# Altium PCB PCB_AUTO-HANDWASH-THERMOMETER.PcbDoc
Units mm, origin at the board's own origin, x right, y up, seen from the top; angles counter-clockwise.
Board outline 151 x 101.09 mm, 2 copper layers (Top Layer, Bottom Layer); 29 components, 20 nets, 122 pads, 9 vias.
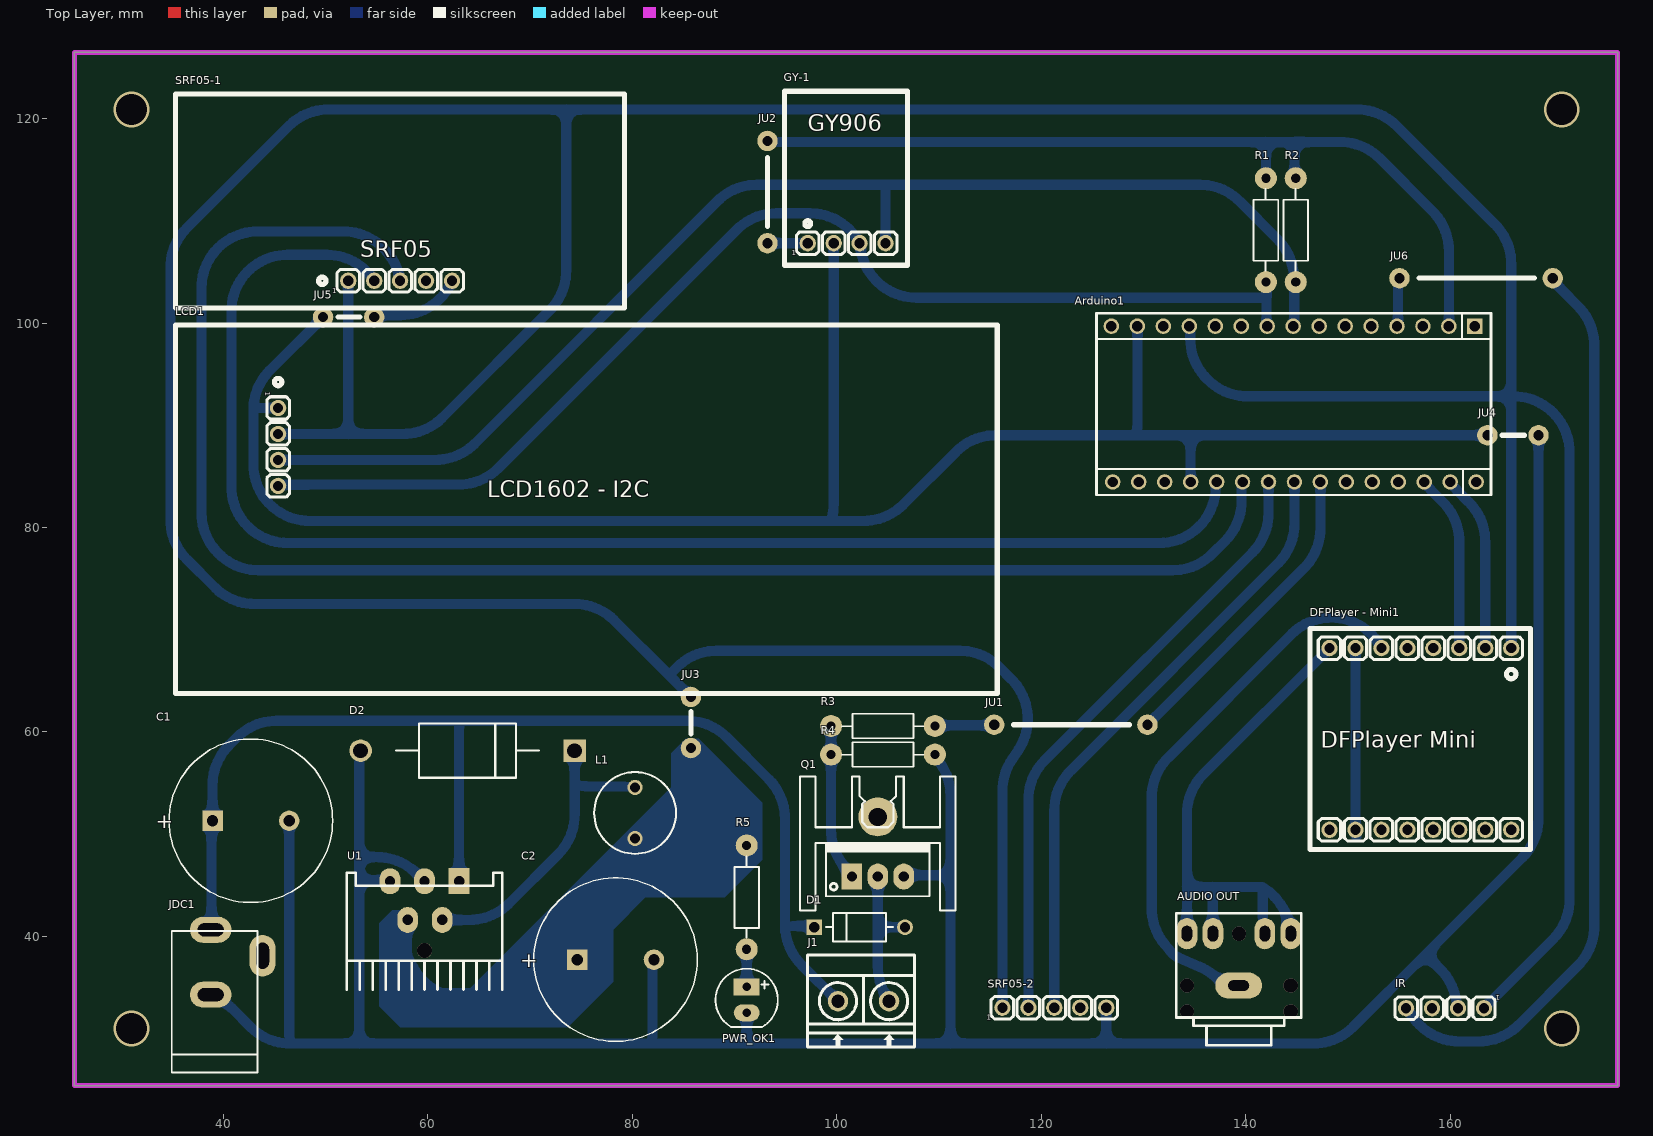
[diagram p0: Top Layer view]
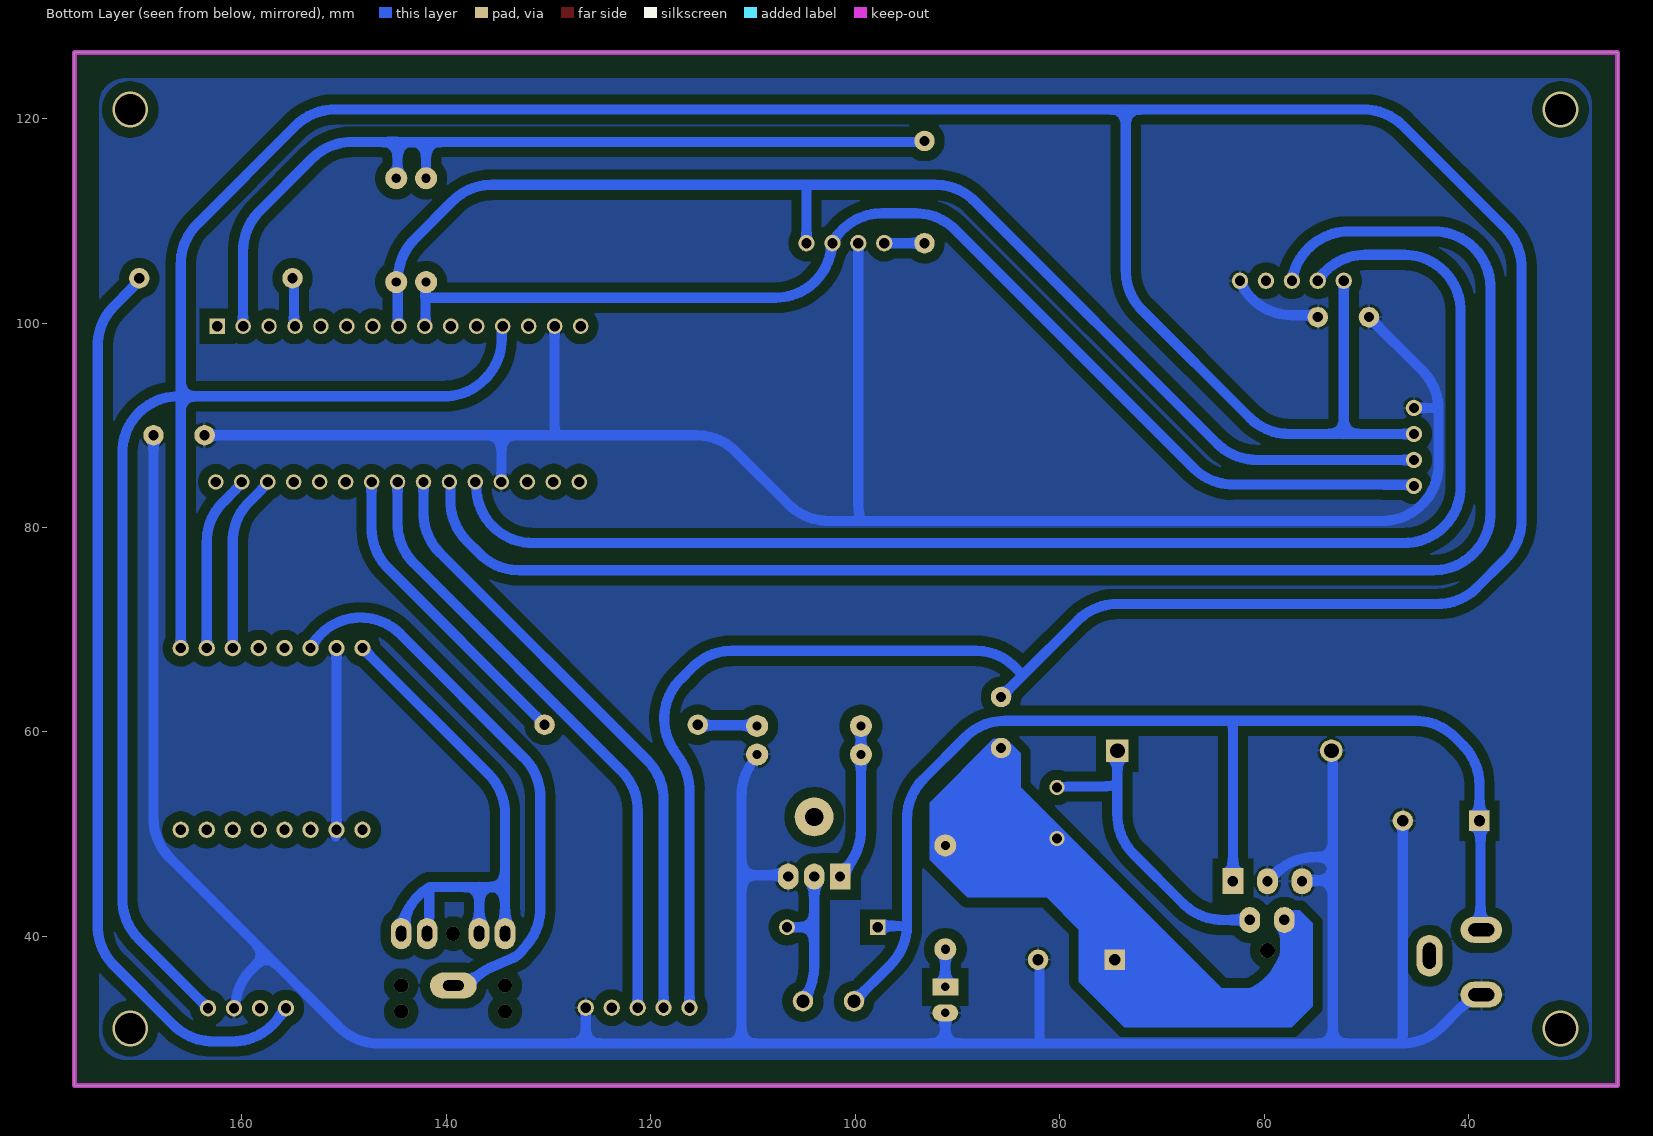
[diagram p1: Bottom Layer view, seen from below]

## Layer stack, top to bottom
Top Solder: solder mask 0.0102, Solder Resist, Dk 3.5
Top Layer: signal copper 0.0356
Dielectric 1: dielectric 0.32, FR-4, Dk 4.8
Bottom Layer: signal copper 0.0356
Bottom Solder: solder mask 0.0102, Solder Resist, Dk 3.5

## Board outline
25.4,25.4 176.403,25.4 176.403,126.492 25.4,126.492

## Design rules (kind name [scope] priority, off if disabled: settings)
Clearance [All] p1: gap=0.5 ignorepadtopadclearanceinfootprint=FALSE
PolygonConnect [All] p1: connectstyle=Relief reliefconductorwidth=0.254 reliefentries=4 polygonreliefangle="90 Angle" airgapwidth=0.254
RoutingVias [All] p1: holewidth=1 width=1.5 viastyle="Through Hole" minholewidth=1 minwidth=1.5 maxholewidth=1 maxwidth=1.5
SolderMaskExpansion [All] p1: expansion=0.102 istentingtop=FALSE
Width [All] p1: maxlimit=1 minlimit=0.4 preferedwidth=0.5
30 further rules are at their usual default settings.

## Components (designator, comment, footprint, x,y, rotation, side; value= is the part's Value field where it differs from the comment)
Arduino1 "Arduino Nano" "Arduino Nano" 144.526,92.837 r90 top value="Cau 1A"
"AUDIO OUT" "CON Phone2" "CON Phone2" 139.344,37.719 r180 top
C1 "100uF" CA-ALU-16 42.672,51.308 r0 top value=104
C2 "1000uF" CA-ALU-16 78.359,37.719 r0 top value=104
D1 "1N4007" FP-1N4007-MFG 102.235,40.894 r0 top value=15pF
D2 "1N5822" FP-DO-201AD-MFG 63.881,58.166 r180 top
"DFPlayer - Mini1" "DFPlayer Mini-MP3" "DFPlayer Mini" 165.989,68.199 r270 top
GY-1 "GY-906" GY-906 97.155,107.823 r0 top
IR "Header 4" "HEADER x4" 154.492,29.53 r180 top
J1 "Terminal" "Terminal x2 5mm" 102.616,33.655 r0 top
JDC1 "Jack DC" DC0 41.275,37.465 r90 top value="Jac DC"
JU1 "JUMPER" "JUMPER 15MM" 130.396,60.706 r180 top
JU2 "JUMPER" "JUMPER 10MM" 93.218,107.823 r90 top
JU3 "JUMPER" "JUMPER 5MM" 85.725,58.42 r90 top
JU4 "JUMPER" "JUMPER 5MM" 168.656,89.027 r180 top
JU5 "JUMPER" "JUMPER 5MM" 54.737,100.584 r180 top
JU6 "JUMPER" "JUMPER 15MM" 170.053,104.394 r180 top
L1 "100uH" L-DIP-M-8 80.264,52.07 r270 top value="150 mH"
LCD1 "LCD1602-I2C" LCD1602-I2C 45.339,84.074 r0 top
PWR_OK1 "LED" LED-5-RED 91.186,35.052 r270 top value="LED 3 ly Single Colour"
Q1 "IRF740" TO220H1 104.013,45.847 r0 top value=IRF840
R1 "4K7" RES-1/4W 141.859,108.712 r270 top
R2 "4K7" RES-1/4W 144.78,108.712 r270 top
R3 "100R" RES-1/4W 104.902,60.452 r0 top
R4 "10K" RES-1/4W 104.902,57.658 r0 top
R5 "1K" RES-1/4W 91.059,43.434 r270 top
SRF05-1 "SRF05" SRF05 52.197,104.14 r0 top
SRF05-2 "Header 5" "HEADER x5" 121.285,33.02 r0 top
U1 "LM2576" DIP5-T 59.69,41.148 r180 top

## Footprints (in the part's own frame and the unit in brackets; to place one, negate y for a bottom-side part, rotate by r counter-clockwise, add the part's x,y. Pads: shape width x height; smd on the part's side, far side on the other; paste and mask are expansions set on the pad)
"Arduino Nano" [mm]
  round 1.52 hole 1.02: 3V3(6.858,-15.367) 5V(6.858,10.033) A0(6.858,-10.287) A1(6.858,-7.747) A2(6.858,-5.207) A3(6.858,-2.667) A4(6.858,-0.127) A5(6.858,2.413) A6(6.858,4.953) A7(6.858,7.493) D2(-8.382,7.366) D3(-8.382,4.826) D4(-8.382,2.286) D5(-8.382,-0.254) D6(-8.382,-2.794) D7(-8.382,-5.334) D8(-8.382,-7.874) D9(-8.382,-10.414) D10(-8.382,-12.954) D11(-8.382,-15.494) D12(-8.382,-18.034) GND(-8.382,9.906) GND(6.858,15.113) REF(6.858,-12.827) RST(-8.382,12.446) RST(6.858,12.573) RX0(-8.382,14.986) TX1(-8.382,17.526) VIN(6.858,17.653)
  rect 1.52x1.52 hole 1.02: D13(6.858,-17.907)
  silkscreen extent -9.65,-19.55 8.13,19.18, body extent -9.65,-23.48 8.14,21.44, height 21.18
CA-ALU-16 [mm] "Polarized capacitors, Aluminum Electrolytic Capacitors, 2-Leads, Body 16x21x7.5x0.8"
  rect 2x2 hole 1.1: 1(-3.75,0)
  round 2 hole 1.1: 2(3.75,0)
  silkscreen extent -8,-8 8,8, body extent -7.93,-7.96 7.99,8, height 21.31
"CON Phone2" [mil]
  oval 80x120 hole 40 slot 60 at 90 deg: 1(-200,-100) 2(-100,-100) 3(100,-100) 4(200,-100)
  oval 180x100 hole 40 slot 80 at 0 deg: 5(1,100)
  silkscreen extent -240,-178 241,330, body extent -239,-202 233,354, height 394
DC0 [mil] "Jac DC input"
  oval 100x160 hole 50 slot 100 at 90 deg: 1(125,100) 2(-125,100)
  oval 160x100 hole 50 slot 100 at 0 deg: 3(25,-100)
  silkscreen extent -425,-80 120,250, body extent -410,-105 134,269, height 434
"DFPlayer Mini" [mm]
  round 1.6 hole 1 mask+0.1: 1(0,0) 2(0,-2.54) 3(0,-5.08) 4(0,-7.62) 5(0,-10.16) 6(0,-12.7) 7(0,-15.24) 8(0,-17.78) 9(17.78,-17.78) 10(17.78,-15.24) 11(17.78,-12.7) 12(17.78,-10.16) 13(17.78,-7.62) 14(17.78,-5.08) 15(17.78,-2.54) 16(17.78,0)
  silkscreen extent -1.91,-19.68 19.69,1.91, body extent -1.3,-19.02 19.02,1.3, height 5.94
DIP5-T [mil]
  rect 80x100 hole 40: 1(-132,-167.09)
  oval 80x100 hole 40: 2(-67,-18) 3(1,-167) 4(66,-18) 5(134,-167)
  round 59.06 hole 59.06: ""(1,100)
  silkscreen extent -299,-200 301,250, body extent -199,-175 201,150, height 859
FP-1N4007-MFG [mm]
  rect 1.55x1.55 hole 1 paste-1000 mask+0: 1(-4.44,0)
  round 1.55 hole 1 paste-1000 mask+0: 2(4.44,0)
  silkscreen extent -3.26,-1.4 3.26,1.4, body extent -5.32,-1.5 5.32,1.5, height 0.25
FP-DO-201AD-MFG [mm]
  rect 2.2x2.2 hole 1.45 paste-1000 mask+0: 1(-10.47,0)
  round 2.2 hole 1.45 paste-1000 mask+0: 2(10.47,0)
  silkscreen extent -7,-2.65 7,2.65, body extent -11.67,-2.75 11.67,2.75, height 0.25
GY-906 [mm]
  round 1.6 hole 1 mask+0.1: 1(0,0) 2(2.54,0) 3(5.08,0) 4(7.62,0)
  silkscreen extent -2.29,-2.16 9.78,14.86, body extent -1.3,-1.3 8.86,1.24, height 5.94
"HEADER x4" [mm] "Header 4"
  round 1.6 hole 1 mask+0.1: 1(-8.83,-3.44) 2(-6.29,-3.44) 3(-3.75,-3.44) 4(-1.21,-3.44)
  silkscreen extent -9.93,-4.54 -0.11,-2.34, body extent -10.13,-4.74 0.03,-2.2, height 5.94
"HEADER x5" [mm] "Header 5"
  round 1.6 hole 1 mask+0.1: 1(-5.08,0) 2(-2.54,0) 3(0,0) 4(2.54,0) 5(5.08,0)
  silkscreen extent -6.18,-1.1 6.18,1.1, body extent -6.38,-1.3 6.32,1.24, height 5.94
"JUMPER 5MM" [mm]
  round 2 hole 1: 1(0,0) 2(5,0)
  silkscreen extent 1.4,0 3.56,0
"JUMPER 10MM" [mm]
  round 2 hole 1: 1(0,0) 2(10,0)
  silkscreen extent 1.65,0 8.38,0
"JUMPER 15MM" [mm]
  round 2 hole 1: 1(0,0) 2(15,0)
  silkscreen extent 1.78,0 13.08,0
L-DIP-M-8 [mm] "THT Inductor, 2-Leads, Body 8,0  mm"
  round 1.5 hole 1: 1(-2.5,0) 2(2.5,0)
  silkscreen extent -4,-4 4,4, body extent -3.97,-3.96 3.97,3.98, height 12.51
LCD1602-I2C [mm]
  round 1.6 hole 1 mask+0.1: 1(0,7.62) 2(0,5.08) 3(0,2.54) 4(0,0)
  silkscreen extent -10.03,-20.32 70.36,15.75, body extent -1.3,-1.24 1.24,8.92, height 5.94
LED-5-RED [mil] "LED 2 PIN, 5 ly , Only colour,pin to pin 100mil"
  rect 65x100 hole 32: 1(0,0)
  oval 65x100 hole 32: 2(100,0)
  silkscreen extent -70,-120 154,120, body extent -65,-119 149,118, height 339
RES-1/4W [mil]
  round 85 hole 35: 1(-215,5) 2(185,5)
  silkscreen extent -173,-42 141,52, body extent -227,-42 197,52, height 95
SRF05 [mm]
  round 1.6 hole 1 mask+0.1: 1(0,0) 2(2.54,0) 3(5.08,0) 4(7.62,0) 5(10.16,0)
  silkscreen extent -16.89,-2.67 27.05,18.29, body extent -1.3,-1.3 11.4,1.24, height 5.94
"Terminal x2 5mm" [mm] "KF301 - 3P"
  round 2 hole 1.3 mask+0.1: 1(-2.5,0) 2(2.5,0)
  silkscreen extent -5.5,-4.5 5,4.5, body extent -5.6,-3.04 5,4.56, height 10
TO220H1 [mil] "TO-220 - 1-2-3"
  round 150 hole 70: 0(0,230)
  rect 80x100 hole 39: 1(-100,0)
  oval 80x100 hole 39: 2(0,0) 3(100,0)
  silkscreen extent -300,-130 300,385, body extent -246,-82 250,329, height 1000

## Part data
Arduino1: "Arduino NANO"
"AUDIO OUT": "Jac Phone Stereo", Creat by=VanDungEvn@Gmail.com
C1 C2: library part CN-ALU-DIP, "Capacitor (Semiconductor SIM Model)", LatestRevisionDate=17-Jul-2002, LatestRevisionNote="Re-released for DXP Platform.", PackageReference=C1206, Publisher="Altium Limited"
D1: library part CMP-123542-000001-1, "Rectifier diode 1000 V 1 A DO-41, ,", Capacitance=15pF, Forward Current=1A, Manufacturer=Diotec, Max Junction Temp=+175°C, Max Repetitive Reverse Voltage=1000V, Max Surge Forward Current=27A, Peak Reverse Current=5uA, Temperature="-50°C to +175°C", Temperature Range Low=-50°C, Automotive=No, Category=Diode, ComponentLink2Description=Datasheet, ComponentLink2URL=https://datasheet.octopart.com/1N4007-Diotec-datasheet-62346875.pdf, Device Class L1="Discrete Semiconductors", Device Class L2=Diodes, Device Class L3="Rectifier Diodes", Height=2.8mm, Ipc Land Pattern Name=DIOAD888W100L520D280, Lead Free=Yes, Manufacturer Part Number=1N4007, Octopart=https://octopart.com/1n4007-diotec-4040411, Package=1N4007, Reverse Voltage=1000V, RoHS=TRUE, Temperature Range High=+175°C
D2: library part CMP-12187-000025-1, "DIODE SCHOTTKY 40V 3A DO201AD", Forward Current=3A, Manufacturer=STMicroelectronics, Max Junction Temp=+150°C, Max Repetitive Reverse Voltage=40V, Max Surge Forward Current=80A, Package=DO-201AD, Peak Reverse Current=2mA, Temperature="to +150°C", Automotive=No, Category=Diode, ComponentLink2Description=Datasheet, ComponentLink2URL=https://www.st.com/resource/en/datasheet/1n5822.pdf, Device Class L1="Discrete Semiconductors", Device Class L2=Diodes, Device Class L3="Schottky Diodes", Digikey Description="DIODE SCHOTTKY 40V 3A DO201AD", Height=5.3mm, Lead Free=Yes, Manufacturer Part Number=1N5822, Mouser Description="Schottky Diodes & Rectifiers Vr/40V Io/3A BULK", Octopart=https://octopart.com/1n5822-stmicroelectronics-323225, RoHS=TRUE, Temperature Range High=+150°C
J1: library part "Terminal x2", "Terminal x2"
JDC1: library part DCIN, "Jac DC input"
L1: library part L-DIP-1, "Inductor"
PWR_OK1: "LED Single colour Green and Red"
Q1: library part IRF840, "MOSFET N - CHANNEL 500V - 0.75 - 8A - TO-220"
R1 R2 R3 R4 R5: library part Res, "Res", Manufacturer="Generic Components", Class=Passive, Published=08/06/2000, Publisher="Altium Hobart Technology Centre", SubClass=R
U1: Max Input Voltage="12 V", Max Output Current="3 (6.0 peak) A", Max Output Voltage=mV, Temperature Range="-40 to +125 degC", Category=IC-Power, Min Input Voltage=mV, Min Output Voltage=mV, Mounting Technology="Surface Mount", Status=Unreleased, Supply Voltage=mV

## Via types
v1: diameter 1.397, hole 1.397, Top Layer to Bottom Layer, 5 vias
v2: diameter 3.5, hole 3, Top Layer to Bottom Layer, 4 vias

## Nets (pads, with @x,y where several pads share a name; then routed paths per layer and width w, separated by ;. In a path a pad name is that pad's centre, name@x,y a point inside that pad or via, vN(x,y) a via of type N, cw(c..) or ccw(c..) an arc to the next point about the centre after c; other vN are vias at no path point)
3V3: Arduino1.3V3 GY-1.1 JU2.1 JU2.2 R1.1 R2.1 | length 90.4
  Bottom Layer w1: JU2.1 GY-1.1 ; JU2.2 93.223,117.822 ccw(c94.231,123.229) 94.225,117.729 141.986,117.729 ; R1.1 cw(c147.48,114.423) 141.98,114.448 141.986,115.474 ccw(c136.486,115.517) 141.986,115.512 141.986,117.729 ; R2.1 cw(c150.353,114.943) 144.905,114.189 144.833,114.705 cw(c150.28,115.464) 144.78,115.464 144.78,117.729 ; Arduino1.3V3 159.893,107.069 ccw(c154.393,107.069) 158.275,110.965 153.124,116.116 ccw(c149.233,112.229) 149.233,117.729 144.78,117.729 ; 141.986,117.729 144.78,117.729
5V: "DFPlayer - Mini1.1" Arduino1.5V C2.1 IR.1 JU3.1 JU3.2 L1.2 LCD1.2 R5.1 SRF05-1.1 SRF05-2.1 U1.4 | length 560.9
  Bottom Layer w1: LCD1.2 52.197,89.154 ; SRF05-1.1 52.197,89.154 ; U1.4 58.014,41.498 ccw(c63.415,40.461) 57.915,40.464 57.915,38.608 ccw(c59.665,38.608) 58.116,37.794 58.551,36.967 ccw(c63.415,39.536) 63.415,34.036 68.648,34.036 ccw(c68.648,39.536) 72.535,35.645 74.803,37.913 74.803,41.831 cw(c80.303,41.831) 76.412,45.718 82.899,52.205 ; 83.593,65.552 83.591,65.554 ccw(c79.694,61.673) 83.59,65.556 ; 83.594,65.551 84.886,64.259 cw(c80.997,60.37) 84.894,64.251 cw(c81.005,60.362) 85.108,64.025 cw(c81.011,60.356) 85.112,64.02 85.151,63.977 ccw(c89.256,67.637) 85.723,63.422 JU3.2 ; JU3.1 ccw(c91.034,56.982) 85.535,57.118 85.535,57.115 ccw(c91.034,56.982) 85.535,57.114 85.532,56.986 cw(c80.034,57.118) 83.925,53.231 82.899,52.205 ; R5.1 90.034,49.06 ccw(c89.247,43.617) 89.247,49.117 88.265,49.117 cw(c88.265,54.617) 84.378,50.726 82.899,52.205 ; SRF05-2.1 116.205,54.237 cw(c121.705,54.237) 117.157,57.33 ; 117.158,57.331 cw(c121.712,54.247) 117.165,57.341 117.739,58.187 ccw(c113.189,61.277) 117.075,65.17 115.92,66.325 ccw(c112.022,62.445) 112.022,67.945 88.257,67.945 ccw(c88.257,62.445) 84.37,66.336 83.59,65.556 ; Arduino1.5V 134.494,99.689 cw(c129.092,98.654) 134.592,98.654 134.592,98.445 ccw(c140.093,98.445) 136.201,94.558 136.313,94.446 ccw(c140.2,98.337) 140.2,92.837 165.989,92.837 ; IR.1 170.095,39.743 ccw(c166.204,43.63) 171.704,43.63 171.704,87.337 ccw(c166.204,87.337) 166.204,92.837 165.989,92.837 ; 165.989,68.199 165.989,92.837 ; 52.197,89.154 57.539,89.154 ccw(c57.539,94.654) 61.426,90.763 71.924,101.261 ccw(c68.033,105.148) 73.533,105.148 73.533,120.904 ; 73.533,120.904 50.284,120.904 ccw(c50.284,115.404) 46.397,119.295 36.407,109.305 ccw(c40.298,105.418) 34.798,105.418 34.798,80.764 ccw(c40.298,80.764) 36.407,76.877 39.158,74.126 ccw(c43.045,78.017) 43.045,72.517 74.35,72.517 cw(c74.35,67.017) 78.243,70.902 83.59,65.556 ; 73.533,120.904 150.884,120.904 cw(c150.884,115.404) 154.775,119.291 164.376,109.69 cw(c160.489,105.799) 165.989,105.799 165.989,92.837
12V: C1.1 D1.1 J1.1 JDC1.1 U1.1 | length 116.9
  Bottom Layer w1: JDC1.1 38.828,40.64 38.828,50.808 C1.1 38.922,54.805 cw(c44.422,54.805) 40.531,58.692 41.317,59.478 cw(c45.204,55.587) 45.204,61.087 85.352,61.087 cw(c85.352,55.587) 89.243,59.474 93.319,55.398 cw(c89.432,51.506) 94.932,51.506 94.932,40.894 ; U1.1 63.043,60.175 cw(c68.543,60.175) 63.119,61.087 ; D1.1 97.52,41.021 96.102,41.021 ccw(c96.108,35.521) 94.933,40.894 ; J1.1 96.534,37.237 cw(c100.428,41.121) 94.933,40.892 94.932,40.894
DFP_RX: "DFPlayer - Mini1.2" Arduino1.D11 | length 17.4
  Bottom Layer w1: Arduino1.D11 160.023,84.451 ccw(c164.575,87.537) 160.685,83.65 161.796,82.538 161.828,82.506 cw(c157.949,78.607) 163.449,78.607 163.449,68.199
DFP_TX: "DFPlayer - Mini1.3" Arduino1.D10 | length 17.4
  Bottom Layer w1: Arduino1.D10 157.482,84.453 ccw(c162.035,87.537) 158.141,83.653 159.299,82.495 cw(c155.409,78.607) 160.909,78.607 160.909,69.19 cw(c155.409,69.195) 160.909,69.166 160.906,68.378 ccw(c166.406,68.367) 160.909,68.203 160.909,68.199
ECHO1: Arduino1.D3 SRF05-1.3 | length 157.6
  Bottom Layer w1: SRF05-1.3 57.253,104.279 ccw(c51.83,103.366) 55.711,107.263 55.624,107.35 ccw(c51.73,103.466) 51.73,108.966 43.346,108.966 ccw(c43.346,103.466) 37.846,103.466 37.846,81.399 ccw(c43.346,81.399) 39.455,77.512 39.539,77.428 ccw(c43.426,81.319) 43.426,75.819 132.85,75.819 ccw(c132.85,81.319) 136.737,77.428 137.992,78.683 ccw(c134.101,82.57) 139.601,82.57 139.601,83.414 cw(c145.101,83.414) Arduino1.D3
ECHO2: Arduino1.D5 SRF05-2.3 | length 60.7
  Bottom Layer w1: SRF05-2.3 121.285,52.332 cw(c126.785,52.332) 122.893,56.218 143.171,76.496 ccw(c139.28,80.383) 144.78,80.383 Arduino1.D5
GND: "DFPlayer - Mini1.7" "DFPlayer - Mini1.10" Arduino1.GND C1.2 C2.2 D2.2 GY-1.2 IR.2 JDC1.2 JU4.1 JU4.2 JU5.1 JU5.2 LCD1.1 PWR_OK1.2 Q1.3 R4.2 SRF05-1.5 SRF05-2.5 U1.3 U1.5 | length 510.4
  Bottom Layer w1: JDC1.2 39.247,34.29 ccw(c43.369,37.93) 39.85,33.704 40.139,33.463 40.244,33.4 cw(c38.698,30.829) 40.822,32.947 42.654,31.115 ccw(c46.541,35.007) 46.541,29.507 46.549,29.507 ; LCD1.1 42.926,91.694 ; C1.2 46.422,30.677 ccw(c51.922,30.682) 46.548,29.512 46.549,29.507 ; JU5.2 44.538,95.385 ccw(c48.422,91.491) 42.926,91.694 ; D2.2 ccw(c58.78,56.973) 53.28,56.973 53.28,47.752 ; JU5.1 cw(c56.175,95.275) 56.17,100.775 57.288,100.775 ccw(c57.288,106.275) SRF05-1.5 ; U1.5 56.286,45.466 53.28,45.466 ; U1.3 59.665,45.393 cw(c63.211,49.597) 59.316,45.713 58.887,46.142 ccw(c54.999,42.252) 58.311,46.643 ccw(c54.999,42.252) 55.445,47.734 55.439,47.734 ccw(c54.999,42.252) 54.999,47.752 53.28,47.752 ; C2.2 ccw(c87.482,36.544) 81.982,36.544 81.982,30.677 cw(c76.482,30.682) 81.855,29.507 ; PWR_OK1.2 91.186,29.507 ; GY-1.2 99.695,82.292 cw(c94.195,82.297) 99.441,80.645 ; Q1.3 106.553,45.974 111.125,45.974 ; R4.2 109.603,57.781 ccw(c114.499,60.287) 109.944,57.205 110.182,56.851 cw(c105.619,53.78) 110.188,56.842 cw(c105.625,53.771) 111.125,53.771 111.125,45.974 ; SRF05-2.5 ccw(c131.865,33.015) 126.365,33.015 126.365,29.507 ; 129.286,89.027 ccw(c123.913,90.202) 129.413,90.197 Arduino1.GND@129.413,99.695 ; Arduino1.GND@134.62,84.456 ccw(c129.126,84.705) 134.626,84.739 134.62,85.766 cw(c140.12,85.796) 134.62,85.796 134.62,89.027 ; 150.749,68.199 150.749,50.436 ccw(c153.749,50.431) 150.749,50.427 150.749,50.419 150.75,50.41 cw(c145.325,49.506) 150.818,49.783 cw(c149.32,49.704) 150.819,49.779 150.819,49.776 ; IR.2 160.545,34.054 ccw(c155.171,32.885) 159.057,36.777 157.607,38.227 ; JU4.2 134.62,89.027 ; JU4.1 168.656,51.554 cw(c163.156,51.554) 167.047,47.667 157.607,38.227 ; 42.926,91.694 42.926,86.145 ccw(c48.426,86.145) 43.583,83.539 43.756,83.218 ccw(c45.339,84.074) 43.946,82.934 44.178,82.651 ccw(c48.426,86.145) 48.426,80.645 99.441,80.645 ; 46.549,29.507 53.28,29.507 ; 53.28,29.507 81.855,29.507 ; 53.28,29.507 53.28,45.466 ; 53.28,45.466 53.28,47.752 ; 81.855,29.507 91.186,29.507 ; 91.186,29.507 111.125,29.507 ; 99.441,80.645 102.624,80.645 ccw(c102.624,86.145) 106.511,82.254 111.675,87.418 cw(c115.562,83.527) 115.562,89.027 134.62,89.027 ; 111.125,29.507 126.365,29.507 ; 111.125,29.507 111.125,45.974 ; 126.365,29.507 146.609,29.507 ccw(c146.609,35.007) 150.496,31.116 157.607,38.227
IR: Arduino1.A0 IR.4 JU6.1 JU6.2 | length 94.7
  Bottom Layer w1: Arduino1.A0 ccw(c149.412,100.736) 154.912,100.731 154.912,103.159 cw(c160.412,103.159) JU6.2 ; IR.4 156.54,31.875 ccw(c160.907,35.218) 160.907,29.718 162.822,29.718 ccw(c162.822,35.218) 166.709,31.327 172.508,37.126 ccw(c168.617,41.013) 174.117,41.013 174.117,97.781 ccw(c168.617,97.781) 172.499,101.677 170.93,103.247 cw(c174.824,107.131) JU6.1 JU6.1
NetD1_2: D1.2 J1.2 Q1.2 | length 15.1
  Bottom Layer w1: Q1.2 104.013,40.894 ; J1.2 cw(c110.004,36.176) 105.114,33.66 105.112,33.662 ccw(c100.22,31.15) 104.949,33.958 104.783,34.237 cw(c109.513,37.044) 104.013,37.044 104.013,40.894 ; D1.2 104.013,40.894
NetD2_1: D2.1 L1.1 U1.2 | length 30.3
  Bottom Layer w1: U1.2 64.042,41.605 ccw(c64.042,47.105) 67.929,43.214 72.742,48.027 ccw(c68.851,51.914) 74.351,51.914 74.351,54.864 ; D2.1 74.351,54.864 ; L1.1 79.243,54.666 75.809,54.666 cw(c75.815,60.166) 74.356,54.863 74.351,54.864
NetPWR_OK1_1: PWR_OK1.1 R5.2 | length 3.7
  Bottom Layer w1: PWR_OK1.1 R5.2
NetQ1_1: Q1.1 R3.1 R4.1 | length 15.3
  Bottom Layer w1: R3.1 R4.1 99.441,50.405 ccw(c104.941,50.409) 100.955,46.619 100.957,46.617 Q1.1
PUMP: Arduino1.D6 JU1.1 JU1.2 R3.2 | length 36.3
  Bottom Layer w1: R3.2 cw(c110.434,55.142) 110.429,60.642 114.563,60.642 ccw(c114.563,66.142) JU1.2 ; JU1.1 ccw(c126.61,64.696) 130.52,60.827 131.16,61.47 cw(c135.06,57.592) 131.175,61.485 131.179,61.489 145.703,76.013 ccw(c141.82,79.908) 147.32,79.908 Arduino1.D6
SCL: Arduino1.A5 GY-1.3 LCD1.4 R1.2 | length 115.6
  Bottom Layer w1: LCD1.4 cw(c46.457,78.689) 46.452,84.189 48.083,84.189 ccw(c48.083,89.689) 48.233,84.191 cw(c48.401,78.693) 48.256,84.192 48.523,84.199 cw(c48.679,78.701) 48.679,84.201 63,84.201 ccw(c63,89.701) 66.887,85.81 90.21,109.133 cw(c94.099,105.244) 94.099,110.744 97.369,110.744 cw(c97.369,105.244) 99.755,110.2 99.941,110.11 cw(c97.377,105.244) 101.943,108.311 102.201,107.881 cw(c97.485,105.051) GY-1.3 cw(c96.85,106.705) 102.271,107.635 102.364,107.096 cw(c96.948,106.142) 102.369,107.07 cw(c96.952,106.119) 102.371,107.057 ccw(c107.79,107.999) 102.373,107.046 ccw(c107.792,107.989) 107.786,102.489 142.049,102.489 ; R1.2 142.015,103.746 cw(c136.549,103.135) 142.049,103.135 142.049,102.489 ; Arduino1.A5 142.113,99.698 cw(c147.55,100.528) 142.05,100.523 142.049,102.489
SDA: Arduino1.A4 GY-1.4 LCD1.3 R2.2 | length 125.1
  Bottom Layer w1: LCD1.3 60.714,86.614 ccw(c60.714,92.114) 64.601,88.223 88.307,111.929 cw(c92.194,108.038) 92.194,113.538 135.517,113.538 cw(c135.517,108.038) 139.411,111.922 143.105,108.227 cw(c139.224,104.33) 144.633,105.327 144.716,104.881 cw(c139.309,103.874) 144.718,104.874 144.776,104.559 ccw(c150.184,105.564) R2.2 ccw(c150.252,102.719) 144.752,102.719 144.752,100.731 cw(c139.252,100.736) Arduino1.A4 ; GY-1.4 104.775,113.533 cw(c110.275,113.533) 104.775,113.538
SPK1: "AUDIO OUT.5" "DFPlayer - Mini1.6" | length 55
  Bottom Layer w1: 139.319,35.179 138.303,35.179 136.508,36.457 ccw(c133.314,31.979) 135.477,37.036 133.467,37.899 cw(c134.264,39.751) 132.713,38.464 132.088,39.213 cw(c136.31,42.738) 130.81,42.738 130.81,53.602 cw(c136.31,53.602) 132.419,57.489 144.509,69.579 cw(c148.396,65.688) 153.286,68.204 153.289,68.199
SPK2: "AUDIO OUT.1" "AUDIO OUT.2" "AUDIO OUT.3" "AUDIO OUT.4" "DFPlayer - Mini1.8" | length 55.6
  Bottom Layer w1: 134.264,40.259 134.264,44.831 ; 136.804,40.259 136.804,40.295 cw(c142.279,40.823) 136.779,40.817 136.779,44.831 ; 141.884,40.259 141.884,40.461 cw(c147.187,41.922) 141.687,41.916 141.687,43.885 ccw(c136.187,43.885) 141.606,44.825 141.605,44.831 ; 144.423,40.464 cw(c149.718,41.952) 144.376,40.643 144.194,41.383 ccw(c138.853,40.069) 141.611,44.828 141.605,44.831 ; 144.424,40.259 144.424,40.464 ; 148.209,68.199 135.873,55.863 ccw(c139.764,51.976) 134.264,51.976 134.264,44.831 ; 134.264,44.831 136.779,44.831 ; 136.779,44.831 141.605,44.831
TRIG1: Arduino1.D2 SRF05-1.2 | length 138.2
  Bottom Layer w1: SRF05-1.2 ccw(c50.101,101.18) 50.101,106.68 46.267,106.68 ccw(c46.267,101.18) 40.767,101.18 40.767,83.986 ccw(c46.267,83.986) 46.267,78.486 131.566,78.486 ccw(c131.566,83.986) 137.042,83.475 137.085,83.931 cw(c142.561,83.414) Arduino1.D2
TRIG2: Arduino1.D4 SRF05-2.2 | length 60.7
  Bottom Layer w1: SRF05-2.2 118.745,53.348 cw(c124.245,53.348) 120.354,57.235 140.631,77.512 ccw(c136.74,81.399) 142.24,81.399 Arduino1.D4
pads on no net: "DFPlayer - Mini1.4" "DFPlayer - Mini1.5" "DFPlayer - Mini1.9" "DFPlayer - Mini1.11" "DFPlayer - Mini1.12" "DFPlayer - Mini1.13" "DFPlayer - Mini1.14" "DFPlayer - Mini1.15" "DFPlayer - Mini1.16" Arduino1.A1 Arduino1.A2 Arduino1.A3 Arduino1.A6 Arduino1.A7 Arduino1.D7 Arduino1.D8 Arduino1.D9 Arduino1.D12 Arduino1.D13 Arduino1.REF Arduino1.RST Arduino1.RX0 Arduino1.TX1 Arduino1.VIN IR.3 JDC1.3 Q1.0 SRF05-1.4 SRF05-2.4 U1.
copper on no net:
  other v1: 134.264,32.639 144.424,32.639 134.264,35.179 144.424,35.179 139.344,40.259
  other v2: 30.988,30.988 170.942,30.988 30.988,120.904 170.942,120.904

## Polygon pours and split planes (outlines as drawn)
GND on Bottom Layer "GND_L02_P000" (solid, pour order 0): 27.94,121.412 cw(c30.48,121.412) 30.48,123.952 171.45,123.952 cw(c171.45,121.412) 173.99,121.412 173.99,30.48 cw(c171.45,30.48) 171.45,27.94 30.48,27.94 cw(c30.48,30.48) 27.94,30.48

## Keep-outs
Keep-Out Layer:
  the board outline again, w0.5

## Other copper
Bottom Layer:
  region net 5V: 58.42,42.545 56.515,42.545 55.245,41.275 55.245,33.147 57.277,31.115 73.66,31.115 78.105,35.56 78.105,40.64 81.28,43.815 89.027,43.815 92.71,47.498 92.71,53.086 86.487,59.309 85.217,59.309 83.82,57.912 83.82,54.61 72.263,43.053 64.135,34.925 59.944,34.925 58.293,36.576

## Text inside footprints (layer, text, board x,y; h text height)
C1: Top Overlay "+" at 33.347,50.571 h1.5
C2: Top Overlay "+" at 69.034,36.982 h1.5
"DFPlayer - Mini1": Top Overlay "DFPlayer Mini" at 147.339,58.464 h1.6; Mechanical 1 "7" at 150.929,50.919 h0.8 r180; Mechanical 1 "8" at 148.529,69.799 h0.8 r180; Mechanical 1 "7" at 150.929,68.699 h0.8 r180; Mechanical 1 "6" at 153.559,50.869 h0.8 r180; Mechanical 1 "8" at 148.529,52.019 h0.8 r180; Mechanical 1 "6" at 153.559,68.649 h0.8 r180; Mechanical 1 "2" at 163.709,68.599 h0.8 r180; Mechanical 1 "1" at 166.109,68.599 h0.8 r180; Mechanical 1 "3" at 161.129,68.599 h0.8 r180; Mechanical 1 "4" at 158.629,68.599 h0.8 r180; Mechanical 1 "5" at 156.029,68.599 h0.8 r180; Mechanical 1 "2" at 163.709,50.819 h0.8 r180; Mechanical 1 "1" at 166.109,50.819 h0.8 r180; Mechanical 1 "3" at 161.129,50.819 h0.8 r180; Mechanical 1 "4" at 158.629,50.819 h0.8 r180; Mechanical 1 "5" at 156.029,50.819 h0.8 r180
GY-1: Top Overlay "1" at 95.615,106.623 h0.5; Top Overlay "GY906" at 97.174,118.764 h1.6; Mechanical 1 "2" at 99.435,107.423 h0.8; Mechanical 1 "1" at 97.035,107.423 h0.8; Mechanical 1 "3" at 102.015,107.423 h0.8; Mechanical 1 "4" at 104.515,107.423 h0.8
IR: Top Overlay "1" at 164.892,34.23 h0.5 r180; Mechanical 1 "1" at 163.492,33.33 h0.8 r180; Mechanical 1 "2" at 161.092,33.33 h0.8 r180; Mechanical 1 "3" at 158.492,33.33 h0.8 r180; Mechanical 1 "4" at 155.992,33.33 h0.8 r180
J1: Mechanical 1 "2" at 104.815,33.084 h1.2; Mechanical 1 "1" at 99.925,33.084 h1.2
LCD1: Top Overlay "LCD1602 - I2C" at 65.805,82.975 h1.6; Top Overlay "1" at 44.079,93.264 h0.5 r270; Mechanical 1 "4" at 44.979,84.364 h0.8 r270; Mechanical 1 "3" at 44.979,86.864 h0.8 r270; Mechanical 1 "2" at 44.979,89.464 h0.8 r270; Mechanical 1 "1" at 44.979,91.864 h0.8 r270
SRF05-1: Top Overlay "1" at 50.657,102.94 h0.5; Mechanical 1 "5" at 62.157,103.74 h0.8; Mechanical 1 "4" at 59.557,103.74 h0.8; Mechanical 1 "3" at 57.057,103.74 h0.8; Mechanical 1 "1" at 52.077,103.74 h0.8; Mechanical 1 "2" at 54.477,103.74 h0.8
SRF05-2: Top Overlay "1" at 114.685,31.82 h0.5; Mechanical 1 "4" at 123.485,32.62 h0.8; Mechanical 1 "3" at 121.085,32.62 h0.8; Mechanical 1 "2" at 118.505,32.62 h0.8; Mechanical 1 "1" at 116.105,32.62 h0.8; Mechanical 1 "5" at 126.105,32.62 h0.8